# KiCad board modern-keyboard.kicad_pcb
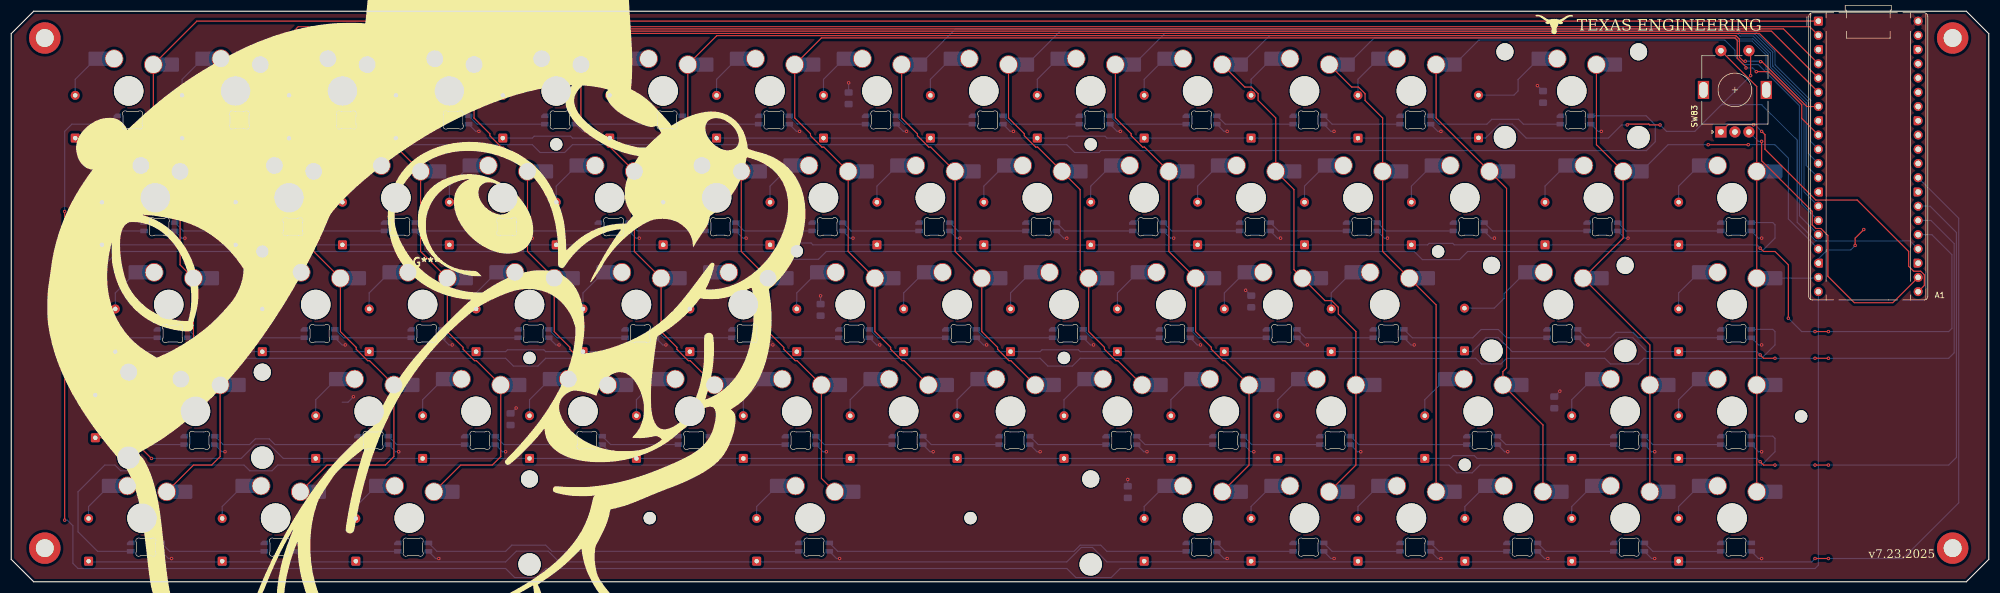
[diagram p0: board, top side]
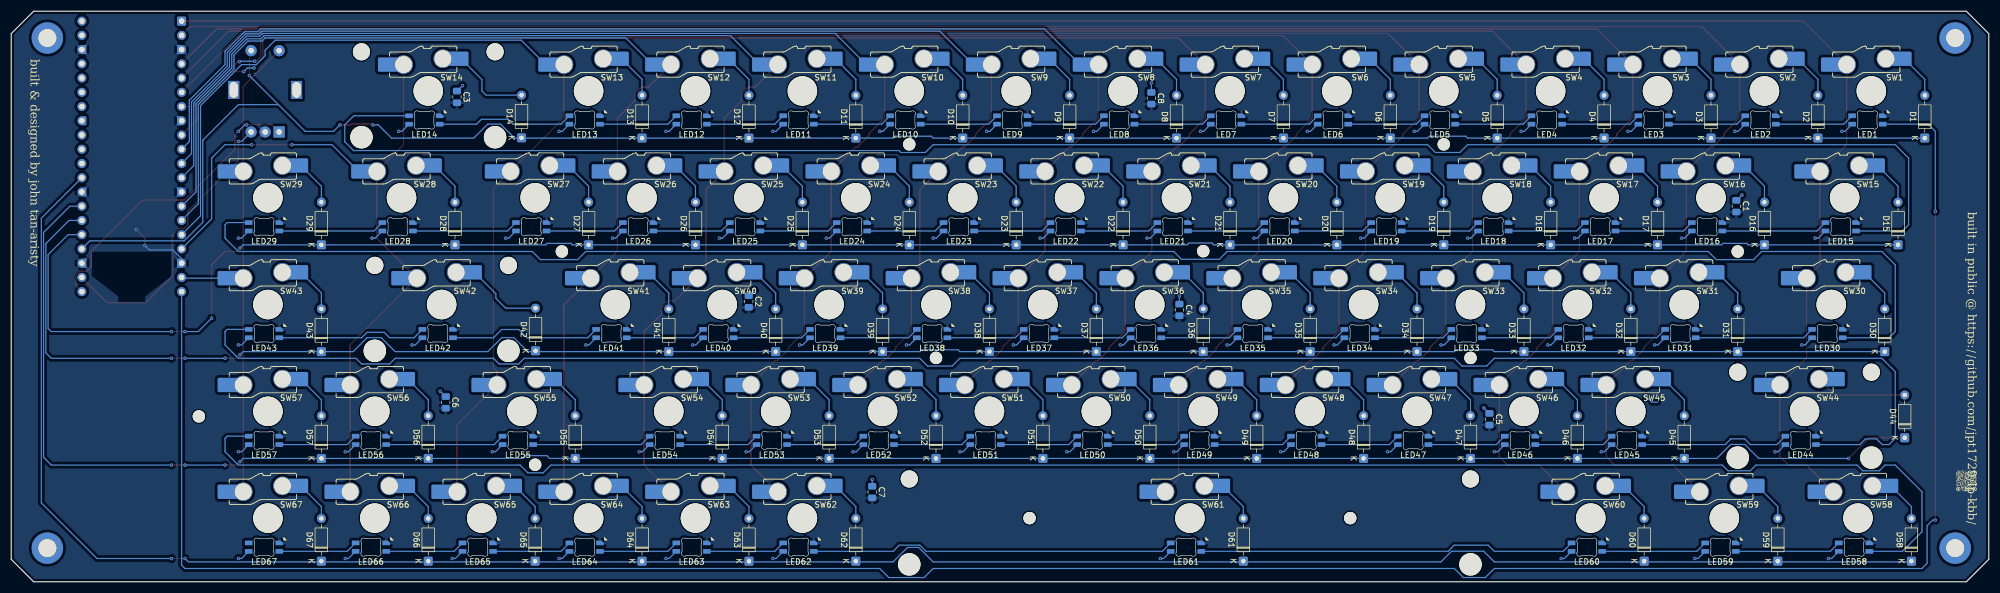
[diagram p1: board, bottom side, seen from below]

Outline 352.43 x 101.78 mm; copper layers: Top, Bottom. Coordinates in mm from the lower left corner of the outline.
Outline path: 0,97.78 0,4 4,0 348.43,0 352.43,4 352.43,97.78 348.43,101.78 4,101.78 0,97.78

## Placement (name value [footprint] x y rotation side)
A1  RaspberryPi_Pico  [RaspberryPi_Pico_Common_THT]  322.06 100.02 0 top
C1  2.2 uF  [C_0805_2012Metric_Pad1.18x1.45mm_HandSolder]  44.99 67 270 bottom
C2  2.2 uF  [C_0805_2012Metric_Pad1.18x1.45mm_HandSolder]  220.99 50 270 bottom
C3  2.2 uF  [C_0805_2012Metric_Pad1.18x1.45mm_HandSolder]  272.99 86.5 270 bottom
C4  2.2 uF  [C_0805_2012Metric_Pad1.18x1.45mm_HandSolder]  144.24 48.5 270 bottom
C5  2.2 uF  [C_0805_2012Metric_Pad1.18x1.45mm_HandSolder]  88.99 29 270 bottom
C6  2.2 uF  [C_0805_2012Metric_Pad1.18x1.45mm_HandSolder]  274.99 32 270 bottom
C7  2.2 uF  [C_0805_2012Metric_Pad1.18x1.45mm_HandSolder]  198.99 16 270 bottom
C8  2.2 uF  [C_0805_2012Metric_Pad1.18x1.45mm_HandSolder]  149.24 86.25 270 bottom
D1  D  [D_DO-35_SOD27_P7.62mm_Horizontal]  11.41 79.15 90 bottom
D2  D  [D_DO-35_SOD27_P7.62mm_Horizontal]  30.45 79.15 90 bottom
D3  D  [D_DO-35_SOD27_P7.62mm_Horizontal]  49.51 79.15 90 bottom
D4  D  [D_DO-35_SOD27_P7.62mm_Horizontal]  68.55 79.15 90 bottom
D5  D  [D_DO-35_SOD27_P7.62mm_Horizontal]  87.61 79.15 90 bottom
D6  D  [D_DO-35_SOD27_P7.62mm_Horizontal]  106.65 79.15 90 bottom
D7  D  [D_DO-35_SOD27_P7.62mm_Horizontal]  125.7 79.15 90 bottom
D8  D  [D_DO-35_SOD27_P7.62mm_Horizontal]  144.75 79.15 90 bottom
D9  D  [D_DO-35_SOD27_P7.62mm_Horizontal]  163.81 79.15 90 bottom
D10  D  [D_DO-35_SOD27_P7.62mm_Horizontal]  182.86 79.15 90 bottom
D11  D  [D_DO-35_SOD27_P7.62mm_Horizontal]  201.91 79.15 90 bottom
D12  D  [D_DO-35_SOD27_P7.62mm_Horizontal]  220.95 79.15 90 bottom
D13  D  [D_DO-35_SOD27_P7.62mm_Horizontal]  240 79.15 90 bottom
D14  D  [D_DO-35_SOD27_P7.62mm_Horizontal]  261.49 79.19 90 bottom
D15  D  [D_DO-35_SOD27_P7.62mm_Horizontal]  16.17 60.1 90 bottom
D16  D  [D_DO-35_SOD27_P7.62mm_Horizontal]  39.98 60.1 90 bottom
D17  D  [D_DO-35_SOD27_P7.62mm_Horizontal]  59.03 60.1 90 bottom
D18  D  [D_DO-35_SOD27_P7.62mm_Horizontal]  78.08 60.1 90 bottom
D19  D  [D_DO-35_SOD27_P7.62mm_Horizontal]  97.13 60.1 90 bottom
D20  D  [D_DO-35_SOD27_P7.62mm_Horizontal]  116.18 60.1 90 bottom
D21  D  [D_DO-35_SOD27_P7.62mm_Horizontal]  135.23 60.1 90 bottom
D22  D  [D_DO-35_SOD27_P7.62mm_Horizontal]  154.28 60.1 90 bottom
D23  D  [D_DO-35_SOD27_P7.62mm_Horizontal]  173.33 60.1 90 bottom
D24  D  [D_DO-35_SOD27_P7.62mm_Horizontal]  192.38 60.1 90 bottom
D25  D  [D_DO-35_SOD27_P7.62mm_Horizontal]  211.43 60.1 90 bottom
D26  D  [D_DO-35_SOD27_P7.62mm_Horizontal]  230.48 60.1 90 bottom
D27  D  [D_DO-35_SOD27_P7.62mm_Horizontal]  249.53 60.1 90 bottom
D28  D  [D_DO-35_SOD27_P7.62mm_Horizontal]  273.34 60.1 90 bottom
D29  D  [D_DO-35_SOD27_P7.62mm_Horizontal]  297.16 60.1 90 bottom
D30  D  [D_DO-35_SOD27_P7.62mm_Horizontal]  18.55 41.05 90 bottom
D31  D  [D_DO-35_SOD27_P7.62mm_Horizontal]  44.74 41.05 90 bottom
D32  D  [D_DO-35_SOD27_P7.62mm_Horizontal]  63.79 41.05 90 bottom
D33  D  [D_DO-35_SOD27_P7.62mm_Horizontal]  82.84 41.05 90 bottom
D34  D  [D_DO-35_SOD27_P7.62mm_Horizontal]  101.89 41.05 90 bottom
D35  D  [D_DO-35_SOD27_P7.62mm_Horizontal]  120.94 41.05 90 bottom
D36  D  [D_DO-35_SOD27_P7.62mm_Horizontal]  139.99 41.05 90 bottom
D37  D  [D_DO-35_SOD27_P7.62mm_Horizontal]  159.04 41.05 90 bottom
D38  D  [D_DO-35_SOD27_P7.62mm_Horizontal]  178.09 41.05 90 bottom
D39  D  [D_DO-35_SOD27_P7.62mm_Horizontal]  197.14 41.05 90 bottom
D40  D  [D_DO-35_SOD27_P7.62mm_Horizontal]  216.19 41.05 90 bottom
D41  D  [D_DO-35_SOD27_P7.62mm_Horizontal]  235.24 41.05 90 bottom
D42  D  [D_DO-35_SOD27_P7.62mm_Horizontal]  258.99 41.19 90 bottom
D43  D  [D_DO-35_SOD27_P7.62mm_Horizontal]  297.16 41.05 90 bottom
D44  D  [D_DO-35_SOD27_P7.62mm_Horizontal]  14.99 25.69 90 bottom
D45  D  [D_DO-35_SOD27_P7.62mm_Horizontal]  54.27 22 90 bottom
D46  D  [D_DO-35_SOD27_P7.62mm_Horizontal]  73.32 22 90 bottom
D47  D  [D_DO-35_SOD27_P7.62mm_Horizontal]  92.37 22 90 bottom
D48  D  [D_DO-35_SOD27_P7.62mm_Horizontal]  111.42 22 90 bottom
D49  D  [D_DO-35_SOD27_P7.62mm_Horizontal]  130.47 22 90 bottom
D50  D  [D_DO-35_SOD27_P7.62mm_Horizontal]  149.52 22 90 bottom
D51  D  [D_DO-35_SOD27_P7.62mm_Horizontal]  168.57 22 90 bottom
D52  D  [D_DO-35_SOD27_P7.62mm_Horizontal]  187.62 22 90 bottom
D53  D  [D_DO-35_SOD27_P7.62mm_Horizontal]  206.67 22 90 bottom
D54  D  [D_DO-35_SOD27_P7.62mm_Horizontal]  225.72 22 90 bottom
D55  D  [D_DO-35_SOD27_P7.62mm_Horizontal]  251.91 22 90 bottom
D56  D  [D_DO-35_SOD27_P7.62mm_Horizontal]  278.11 22 90 bottom
D57  D  [D_DO-35_SOD27_P7.62mm_Horizontal]  297.16 22 90 bottom
D58  D  [D_DO-35_SOD27_P7.62mm_Horizontal]  13.79 3.68 90 bottom
D59  D  [D_DO-35_SOD27_P7.62mm_Horizontal]  37.6 3.68 90 bottom
D60  D  [D_DO-35_SOD27_P7.62mm_Horizontal]  61.41 3.68 90 bottom
D61  D  [D_DO-35_SOD27_P7.62mm_Horizontal]  132.85 3.68 90 bottom
D62  D  [D_DO-35_SOD27_P7.62mm_Horizontal]  201.91 3.68 90 bottom
D63  D  [D_DO-35_SOD27_P7.62mm_Horizontal]  220.95 3.68 90 bottom
D64  D  [D_DO-35_SOD27_P7.62mm_Horizontal]  240 3.68 90 bottom
D65  D  [D_DO-35_SOD27_P7.62mm_Horizontal]  259.06 3.68 90 bottom
D66  D  [D_DO-35_SOD27_P7.62mm_Horizontal]  278.11 3.68 90 bottom
D67  D  [D_DO-35_SOD27_P7.62mm_Horizontal]  297.16 3.68 90 bottom
G***  -  [LOGO]  73.99 57 0 top
G***#2  -  [LOGO]  274.99 99.5 0 top
G***#3  -  [LOGO]  3.99 18 0 bottom
LED1  SK6812MINI-E  [LED_KS33_6028R-ROT]  21.62 82.38 0 bottom
LED2  SK6812MINI-E  [LED_KS33_6028R-ROT]  40.67 82.38 0 bottom
LED3  SK6812MINI-E  [LED_KS33_6028R-ROT]  59.73 82.38 0 bottom
LED4  SK6812MINI-E  [LED_KS33_6028R-ROT]  78.77 82.38 0 bottom
LED5  SK6812MINI-E  [LED_KS33_6028R-ROT]  97.83 82.38 0 bottom
LED6  SK6812MINI-E  [LED_KS33_6028R-ROT]  116.87 82.38 0 bottom
LED7  SK6812MINI-E  [LED_KS33_6028R-ROT]  135.93 82.38 0 bottom
LED8  SK6812MINI-E  [LED_KS33_6028R-ROT]  154.98 82.38 0 bottom
LED9  SK6812MINI-E  [LED_KS33_6028R-ROT]  174.03 82.38 0 bottom
LED10  SK6812MINI-E  [LED_KS33_6028R-ROT]  193.07 82.38 0 bottom
LED11  SK6812MINI-E  [LED_KS33_6028R-ROT]  212.12 82.38 0 bottom
LED12  SK6812MINI-E  [LED_KS33_6028R-ROT]  231.18 82.38 0 bottom
LED13  SK6812MINI-E  [LED_KS33_6028R-ROT]  250.23 82.38 0 bottom
LED14  SK6812MINI-E  [LED_KS33_6028R-ROT]  278.8 82.38 0 bottom
LED15  SK6812MINI-E  [LED_KS33_6028R-ROT]  26.39 63.33 0 bottom
LED16  SK6812MINI-E  [LED_KS33_6028R-ROT]  50.2 63.33 0 bottom
LED17  SK6812MINI-E  [LED_KS33_6028R-ROT]  69.25 63.33 0 bottom
LED18  SK6812MINI-E  [LED_KS33_6028R-ROT]  88.3 63.33 0 bottom
LED19  SK6812MINI-E  [LED_KS33_6028R-ROT]  107.35 63.33 0 bottom
LED20  SK6812MINI-E  [LED_KS33_6028R-ROT]  126.4 63.33 0 bottom
LED21  SK6812MINI-E  [LED_KS33_6028R-ROT]  145.45 63.33 0 bottom
LED22  SK6812MINI-E  [LED_KS33_6028R-ROT]  164.5 63.33 0 bottom
LED23  SK6812MINI-E  [LED_KS33_6028R-ROT]  183.55 63.33 0 bottom
LED24  SK6812MINI-E  [LED_KS33_6028R-ROT]  202.6 63.33 0 bottom
LED25  SK6812MINI-E  [LED_KS33_6028R-ROT]  221.65 63.33 0 bottom
LED26  SK6812MINI-E  [LED_KS33_6028R-ROT]  240.7 63.33 0 bottom
LED27  SK6812MINI-E  [LED_KS33_6028R-ROT]  259.75 63.33 0 bottom
LED28  SK6812MINI-E  [LED_KS33_6028R-ROT]  283.56 63.33 0 bottom
LED29  SK6812MINI-E  [LED_KS33_6028R-ROT]  307.38 63.33 0 bottom
LED30  SK6812MINI-E  [LED_KS33_6028R-ROT]  28.77 44.28 0 bottom
LED31  SK6812MINI-E  [LED_KS33_6028R-ROT]  54.96 44.28 0 bottom
LED32  SK6812MINI-E  [LED_KS33_6028R-ROT]  74.01 44.28 0 bottom
LED33  SK6812MINI-E  [LED_KS33_6028R-ROT]  93.06 44.28 0 bottom
LED34  SK6812MINI-E  [LED_KS33_6028R-ROT]  112.11 44.28 0 bottom
LED35  SK6812MINI-E  [LED_KS33_6028R-ROT]  131.16 44.28 0 bottom
LED36  SK6812MINI-E  [LED_KS33_6028R-ROT]  150.21 44.28 0 bottom
LED37  SK6812MINI-E  [LED_KS33_6028R-ROT]  169.26 44.28 0 bottom
LED38  SK6812MINI-E  [LED_KS33_6028R-ROT]  188.31 44.28 0 bottom
LED39  SK6812MINI-E  [LED_KS33_6028R-ROT]  207.36 44.28 0 bottom
LED40  SK6812MINI-E  [LED_KS33_6028R-ROT]  226.41 44.28 0 bottom
LED41  SK6812MINI-E  [LED_KS33_6028R-ROT]  245.46 44.28 0 bottom
LED42  SK6812MINI-E  [LED_KS33_6028R-ROT]  276.42 44.28 0 bottom
LED43  SK6812MINI-E  [LED_KS33_6028R-ROT]  307.38 44.28 0 bottom
LED44  SK6812MINI-E  [LED_KS33_6028R-ROT]  33.53 25.23 0 bottom
LED45  SK6812MINI-E  [LED_KS33_6028R-ROT]  64.49 25.23 0 bottom
LED46  SK6812MINI-E  [LED_KS33_6028R-ROT]  83.54 25.23 0 bottom
LED47  SK6812MINI-E  [LED_KS33_6028R-ROT]  102.59 25.23 0 bottom
LED48  SK6812MINI-E  [LED_KS33_6028R-ROT]  121.64 25.23 0 bottom
LED49  SK6812MINI-E  [LED_KS33_6028R-ROT]  140.69 25.23 0 bottom
LED50  SK6812MINI-E  [LED_KS33_6028R-ROT]  159.74 25.23 0 bottom
LED51  SK6812MINI-E  [LED_KS33_6028R-ROT]  178.79 25.23 0 bottom
LED52  SK6812MINI-E  [LED_KS33_6028R-ROT]  197.84 25.23 0 bottom
LED53  SK6812MINI-E  [LED_KS33_6028R-ROT]  216.89 25.23 0 bottom
LED54  SK6812MINI-E  [LED_KS33_6028R-ROT]  235.94 25.23 0 bottom
LED55  SK6812MINI-E  [LED_KS33_6028R-ROT]  262.13 25.23 0 bottom
LED56  SK6812MINI-E  [LED_KS33_6028R-ROT]  288.32 25.23 0 bottom
LED57  SK6812MINI-E  [LED_KS33_6028R-ROT]  307.38 25.23 0 bottom
LED58  SK6812MINI-E  [LED_KS33_6028R-ROT]  24.01 6.18 0 bottom
LED59  SK6812MINI-E  [LED_KS33_6028R-ROT]  47.82 6.18 0 bottom
LED60  SK6812MINI-E  [LED_KS33_6028R-ROT]  71.63 6.18 0 bottom
LED61  SK6812MINI-E  [LED_KS33_6028R-ROT]  143.07 6.18 0 bottom
LED62  SK6812MINI-E  [LED_KS33_6028R-ROT]  212.12 6.18 0 bottom
LED63  SK6812MINI-E  [LED_KS33_6028R-ROT]  231.18 6.18 0 bottom
LED64  SK6812MINI-E  [LED_KS33_6028R-ROT]  250.23 6.18 0 bottom
LED65  SK6812MINI-E  [LED_KS33_6028R-ROT]  269.28 6.18 0 bottom
LED66  SK6812MINI-E  [LED_KS33_6028R-ROT]  288.32 6.18 0 bottom
LED67  SK6812MINI-E  [LED_KS33_6028R-ROT]  307.38 6.18 0 bottom
REF**  -  [STAB_MX_6.25u]  142.37 11.36 0 top
REF**#2  -  [MountingHole_2.2mm_M2]  139.99 58.98 0 top
REF**#3  -  [MountingHole_3.2mm_M3_DIN965_Pad_TopBottom]  5.99 97 0 top
REF**#4  -  [MountingHole_2.2mm_M2]  92.37 39.93 0 top
REF**#5  -  [MountingHole_2.2mm_M2]  113.8 11.36 0 top
REF**#6  -  [MountingHole_2.2mm_M2]  187.62 39.93 0 top
REF**#7  -  [MountingHole_2.2mm_M2]  170.95 11.36 0 top
REF**#8  -  [MountingHole_2.2mm_M2]  254.29 58.92 0 top
REF**#9  -  [MountingHole_3.2mm_M3_DIN965_Pad_TopBottom]  345.99 97 0 top
REF**#10  -  [STAB_MX_2u]  278.11 87.56 0 top
REF**#11  -  [STAB_MX_2u]  275.72 49.46 0 top
REF**#12  -  [MountingHole_3.2mm_M3_DIN965_Pad_TopBottom]  345.99 6 0 top
REF**#13  -  [MountingHole_2.2mm_M2]  318.99 29.5 0 top
REF**#14  -  [MountingHole_2.2mm_M2]  192.38 78.03 0 top
REF**#15  -  [MountingHole_3.2mm_M3_DIN965_Pad_TopBottom]  5.99 6 0 top
REF**#16  -  [MountingHole_2.2mm_M2]  259.06 20.88 0 top
REF**#17  -  [MountingHole_2.2mm_M2]  97.13 78.03 0 top
REF**#18  -  [STAB_MX_2u]  32.84 30.41 0 top
REF**#19  -  [MountingHole_2.2mm_M2]  44.74 58.92 0 top
SW1  SW_Push_45deg  [SW_KS33_HS_KS-2P02B01-02_HS_1u]  20.93 87.56 0 bottom
SW2  SW_Push_45deg  [SW_KS33_HS_KS-2P02B01-02_HS_1u]  39.98 87.56 0 bottom
SW3  SW_Push_45deg  [SW_KS33_HS_KS-2P02B01-02_HS_1u]  59.03 87.56 0 bottom
SW4  SW_Push_45deg  [SW_KS33_HS_KS-2P02B01-02_HS_1u]  78.08 87.56 0 bottom
SW5  SW_Push_45deg  [SW_KS33_HS_KS-2P02B01-02_HS_1u]  97.13 87.56 0 bottom
SW6  SW_Push_45deg  [SW_KS33_HS_KS-2P02B01-02_HS_1u]  116.18 87.56 0 bottom
SW7  SW_Push_45deg  [SW_KS33_HS_KS-2P02B01-02_HS_1u]  135.23 87.56 0 bottom
SW8  SW_Push_45deg  [SW_KS33_HS_KS-2P02B01-02_HS_1u]  154.28 87.56 0 bottom
SW9  SW_Push_45deg  [SW_KS33_HS_KS-2P02B01-02_HS_1u]  173.33 87.56 0 bottom
SW10  SW_Push_45deg  [SW_KS33_HS_KS-2P02B01-02_HS_1u]  192.38 87.56 0 bottom
SW11  SW_Push_45deg  [SW_KS33_HS_KS-2P02B01-02_HS_1u]  211.43 87.56 0 bottom
SW12  SW_Push_45deg  [SW_KS33_HS_KS-2P02B01-02_HS_1u]  230.48 87.56 0 bottom
SW13  SW_Push_45deg  [SW_KS33_HS_KS-2P02B01-02_HS_1u]  249.53 87.56 0 bottom
SW14  SW_Push_45deg  [SW_KS33_HS_KS-2P02B01-02_HS_2u]  278.11 87.56 0 bottom
SW15  SW_Push_45deg  [SW_KS33_HS_KS-2P02B01-02_1.5u]  25.69 68.51 0 bottom
SW16  SW_Push_45deg  [SW_KS33_HS_KS-2P02B01-02_HS_1u]  49.51 68.51 0 bottom
SW17  SW_Push_45deg  [SW_KS33_HS_KS-2P02B01-02_HS_1u]  68.55 68.51 0 bottom
SW18  SW_Push_45deg  [SW_KS33_HS_KS-2P02B01-02_HS_1u]  87.61 68.51 0 bottom
SW19  SW_Push_45deg  [SW_KS33_HS_KS-2P02B01-02_HS_1u]  106.65 68.51 0 bottom
SW20  SW_Push_45deg  [SW_KS33_HS_KS-2P02B01-02_HS_1u]  125.7 68.51 0 bottom
SW21  SW_Push_45deg  [SW_KS33_HS_KS-2P02B01-02_HS_1u]  144.75 68.51 0 bottom
SW22  SW_Push_45deg  [SW_KS33_HS_KS-2P02B01-02_HS_1u]  163.81 68.51 0 bottom
SW23  SW_Push_45deg  [SW_KS33_HS_KS-2P02B01-02_HS_1u]  182.86 68.51 0 bottom
SW24  SW_Push_45deg  [SW_KS33_HS_KS-2P02B01-02_HS_1u]  201.91 68.51 0 bottom
SW25  SW_Push_45deg  [SW_KS33_HS_KS-2P02B01-02_HS_1u]  220.95 68.51 0 bottom
SW26  SW_Push_45deg  [SW_KS33_HS_KS-2P02B01-02_HS_1u]  240 68.51 0 bottom
SW27  SW_Push_45deg  [SW_KS33_HS_KS-2P02B01-02_HS_1u]  259.06 68.51 0 bottom
SW28  SW_Push_45deg  [SW_KS33_HS_KS-2P02B01-02_1.5u]  282.87 68.51 0 bottom
SW29  SW_Push_45deg  [SW_KS33_HS_KS-2P02B01-02_HS_1u]  306.68 68.51 0 bottom
SW30  SW_Push_45deg  [SW_KS33_HS_KS-2P02B01-02_1.75u]  28.07 49.46 0 bottom
SW31  SW_Push_45deg  [SW_KS33_HS_KS-2P02B01-02_HS_1u]  54.27 49.46 0 bottom
SW32  SW_Push_45deg  [SW_KS33_HS_KS-2P02B01-02_HS_1u]  73.32 49.46 0 bottom
SW33  SW_Push_45deg  [SW_KS33_HS_KS-2P02B01-02_HS_1u]  92.37 49.46 0 bottom
SW34  SW_Push_45deg  [SW_KS33_HS_KS-2P02B01-02_HS_1u]  111.42 49.46 0 bottom
SW35  SW_Push_45deg  [SW_KS33_HS_KS-2P02B01-02_HS_1u]  130.47 49.46 0 bottom
SW36  SW_Push_45deg  [SW_KS33_HS_KS-2P02B01-02_HS_1u]  149.52 49.46 0 bottom
SW37  SW_Push_45deg  [SW_KS33_HS_KS-2P02B01-02_HS_1u]  168.57 49.46 0 bottom
SW38  SW_Push_45deg  [SW_KS33_HS_KS-2P02B01-02_HS_1u]  187.62 49.46 0 bottom
SW39  SW_Push_45deg  [SW_KS33_HS_KS-2P02B01-02_HS_1u]  206.67 49.46 0 bottom
SW40  SW_Push_45deg  [SW_KS33_HS_KS-2P02B01-02_HS_1u]  225.72 49.46 0 bottom
SW41  SW_Push_45deg  [SW_KS33_HS_KS-2P02B01-02_HS_1u]  244.77 49.46 0 bottom
SW42  SW_Push_45deg  [SW_KS33_HS_KS-2P02B01-02_HS_2.25u]  275.72 49.46 0 bottom
SW43  SW_Push_45deg  [SW_KS33_HS_KS-2P02B01-02_HS_1u]  306.68 49.46 0 bottom
SW44  SW_Push_45deg  [SW_KS33_HS_KS-2P02B01-02_HS_2.25u]  32.84 30.41 0 bottom
SW45  SW_Push_45deg  [SW_KS33_HS_KS-2P02B01-02_HS_1u]  63.79 30.41 0 bottom
SW46  SW_Push_45deg  [SW_KS33_HS_KS-2P02B01-02_HS_1u]  82.84 30.41 0 bottom
SW47  SW_Push_45deg  [SW_KS33_HS_KS-2P02B01-02_HS_1u]  101.89 30.41 0 bottom
SW48  SW_Push_45deg  [SW_KS33_HS_KS-2P02B01-02_HS_1u]  120.94 30.41 0 bottom
SW49  SW_Push_45deg  [SW_KS33_HS_KS-2P02B01-02_HS_1u]  139.99 30.41 0 bottom
SW50  SW_Push_45deg  [SW_KS33_HS_KS-2P02B01-02_HS_1u]  159.04 30.41 0 bottom
SW51  SW_Push_45deg  [SW_KS33_HS_KS-2P02B01-02_HS_1u]  178.09 30.41 0 bottom
SW52  SW_Push_45deg  [SW_KS33_HS_KS-2P02B01-02_HS_1u]  197.14 30.41 0 bottom
SW53  SW_Push_45deg  [SW_KS33_HS_KS-2P02B01-02_HS_1u]  216.19 30.41 0 bottom
SW54  SW_Push_45deg  [SW_KS33_HS_KS-2P02B01-02_HS_1u]  235.24 30.41 0 bottom
SW55  SW_Push_45deg  [SW_KS33_HS_KS-2P02B01-02_1.75u]  261.44 30.41 0 bottom
SW56  SW_Push_45deg  [SW_KS33_HS_KS-2P02B01-02_HS_1u]  287.63 30.41 0 bottom
SW57  SW_Push_45deg  [SW_KS33_HS_KS-2P02B01-02_HS_1u]  306.68 30.41 0 bottom
SW58  SW_Push_45deg  [SW_KS33_HS_KS-2P02B01-02_1.25u]  23.31 11.36 0 bottom
SW59  SW_Push_45deg  [SW_KS33_HS_KS-2P02B01-02_1.25u]  47.12 11.36 0 bottom
SW60  SW_Push_45deg  [SW_KS33_HS_KS-2P02B01-02_1.25u]  70.94 11.36 0 bottom
SW61  SW_Push_45deg  [SW_KS33_HS_KS-2P02B01-02_HS_6.25u]  142.37 11.36 0 bottom
SW62  SW_Push_45deg  [SW_KS33_HS_KS-2P02B01-02_HS_1u]  211.43 11.36 0 bottom
SW63  SW_Push_45deg  [SW_KS33_HS_KS-2P02B01-02_HS_1u]  230.48 11.36 0 bottom
SW64  SW_Push_45deg  [SW_KS33_HS_KS-2P02B01-02_HS_1u]  249.53 11.36 0 bottom
SW65  SW_Push_45deg  [SW_KS33_HS_KS-2P02B01-02_HS_1u]  268.58 11.36 0 bottom
SW66  SW_Push_45deg  [SW_KS33_HS_KS-2P02B01-02_HS_1u]  287.63 11.36 0 bottom
SW67  SW_Push_45deg  [SW_KS33_HS_KS-2P02B01-02_HS_1u]  306.68 11.36 0 bottom
SW83  RotaryEncoder_Switch  [RotaryEncoder_Alps_EC11E-Switch_Vertical_H20mm]  304.68 80.25 90 top

## Library data of the parts
A1 = -: Datasheet: https://datasheets.raspberrypi.com/pico/pico-datasheet.pdf; Description: Versatile and inexpensive microcontroller module (with full pinout for test point and debug connections) powered by RP2040 dual-core Arm Cortex-M0+ processor up to 133 MHz, 264kB SRAM, 2MB QSPI flash; also supports Raspberry Pi Pico 2; ki_fp_filters: RaspberryPi?Pico?SMD
C1-C8 = -: Description: Unpolarized capacitor; ki_fp_filters: C_*
D1-D67 = -: Description: Diode; Sim.Pins: 1=K 2=A; ki_fp_filters: TO-???* *_Diode_* *SingleDiode* D_*
LED1-LED67 = -: Description: Reverse mount adressable LED (WS2812 protocol)
SW1-SW67 = -: Description: Push button switch, normally open, two pins, 45° tilted
SW83 = -: Description: Rotary encoder, dual channel, incremental quadrate outputs, with switch; ki_fp_filters: RotaryEncoder*Switch*

## Footprints (pads in the part's own frame, mm; a bottom-side part is the same pattern mirrored in y, then rotated)
C_0805_2012Metric_Pad1.18x1.45mm_HandSolder
  rrect 1.175x1.45 smd: 1(-1.038,0) 2(1.038,0)
D_DO-35_SOD27_P7.62mm_Horizontal
  rrect 1.6x1.6 hole 0.8: 1(0,0)
  round 1.6 hole 0.8: 2(7.62,0)
LED_KS33_6028R-ROT
  rrect 1.35x0.82 smd: 1(2.725,0.75) 2(2.725,-0.75) 3(-2.725,0.75) 4(-2.725,-0.75)
MountingHole_2.2mm_M2
  round 2.2 hole 2.2 unplated: (0,0)
MountingHole_3.2mm_M3_DIN965_Pad_TopBottom
  round 3.6 hole 3.2: 1(0,0)
  round 5.6 smd: 1(0,0)
  round 5.6 smd far side: 1(0,0)
RaspberryPi_Pico_Common_THT
  rrect 1.6x1.6 hole 1: 1(0,0)
  round 1.6 hole 1: 2(0,-2.54) 4(0,-7.62) 5(0,-10.16) 6(0,-12.7) 7(0,-15.24) 9(0,-20.32) 10(0,-22.86) 11(0,-25.4) 12(0,-27.94) 14(0,-33.02) 15(0,-35.56) 16(0,-38.1) 17(0,-40.64) 19(0,-45.72) 20(0,-48.26) 21(17.78,-48.26) 22(17.78,-45.72) 24(17.78,-40.64) 25(17.78,-38.1) 26(17.78,-35.56) 27(17.78,-33.02) 29(17.78,-27.94) 30(17.78,-25.4) 31(17.78,-22.86) 32(17.78,-20.32) 34(17.78,-15.24) 35(17.78,-12.7) 36(17.78,-10.16) 37(17.78,-7.62) 39(17.78,-2.54) 40(17.78,0)
  custom 1.6x1.6 hole 1: 3(0,-5.08) 8(0,-17.78) 13(0,-30.48) 18(0,-43.18) 23(17.78,-43.18) 28(17.78,-30.48) 33(17.78,-17.78) 38(17.78,-5.08)
RotaryEncoder_Alps_EC11E-Switch_Vertical_H20mm
  rect 2x2 hole 1: A(0,0)
  round 2 hole 1: B(0,-5) C(0,-2.5) S1(14.5,-5) S2(14.5,0)
  rect 3.2x2 hole 2.8x1.5: MP(7.5,3.1) MP(7.5,-8.1)
STAB_MX_2u
  round 3.048 hole 3.048 unplated: (-11.906,6.985) (11.906,6.985)
  round 3.988 hole 3.988 unplated: (-11.906,-8.255) (11.906,-8.255)
STAB_MX_6.25u
  round 3.048 hole 3.048 unplated: (-50.006,6.985) (50.006,6.985)
  round 3.988 hole 3.988 unplated: (-50.006,-8.255) (50.006,-8.255)
SW_KS33_HS_KS-2P02B01-02_1.5u
  round 5.25 hole 5.25 unplated: (0,0)
  round 3.3 hole 3: 1(4.4,-4.7) 2(-2.6,-5.75)
  rect 1.2x2.55 smd: 1(5.95,-4.7) 2(-4.15,-5.75)
  rrect 2.65x2.55 smd: 1(7.645,-4.7) 2(-5.845,-5.75)
SW_KS33_HS_KS-2P02B01-02_1.25u
  round 5.25 hole 5.25 unplated: (0,0)
  round 3.3 hole 3: 1(4.4,-4.7) 2(-2.6,-5.75)
  rect 1.2x2.55 smd: 1(5.95,-4.7) 2(-4.15,-5.75)
  rrect 2.65x2.55 smd: 1(7.645,-4.7) 2(-5.845,-5.75)
SW_KS33_HS_KS-2P02B01-02_1.75u
  round 5.25 hole 5.25 unplated: (0,0)
  round 3.3 hole 3: 1(4.4,-4.7) 2(-2.6,-5.75)
  rect 1.2x2.55 smd: 1(5.95,-4.7) 2(-4.15,-5.75)
  rrect 2.65x2.55 smd: 1(7.645,-4.7) 2(-5.845,-5.75)
SW_KS33_HS_KS-2P02B01-02_HS_1u
  round 5.25 hole 5.25 unplated: (0,0)
  round 3.3 hole 3: 1(4.4,-4.7) 2(-2.6,-5.75)
  rect 1.2x2.55 smd: 1(5.95,-4.7) 2(-4.15,-5.75)
  rrect 2.65x2.55 smd: 1(7.645,-4.7) 2(-5.845,-5.75)
SW_KS33_HS_KS-2P02B01-02_HS_2.25u
  round 5.25 hole 5.25 unplated: (0,0)
  round 3.3 hole 3: 1(4.4,-4.7) 2(-2.6,-5.75)
  rect 1.2x2.55 smd: 1(5.95,-4.7) 2(-4.15,-5.75)
  rrect 2.65x2.55 smd: 1(7.645,-4.7) 2(-5.845,-5.75)
SW_KS33_HS_KS-2P02B01-02_HS_2u
  round 5.25 hole 5.25 unplated: (0,0)
  round 3.3 hole 3: 1(4.4,-4.7) 2(-2.6,-5.75)
  rect 1.2x2.55 smd: 1(5.95,-4.7) 2(-4.15,-5.75)
  rrect 2.65x2.55 smd: 1(7.645,-4.7) 2(-5.845,-5.75)
SW_KS33_HS_KS-2P02B01-02_HS_6.25u
  round 5.25 hole 5.25 unplated: (0,0)
  round 3.3 hole 3: 1(4.4,-4.7) 2(-2.6,-5.75)
  rect 1.2x2.55 smd: 1(5.95,-4.7) 2(-4.15,-5.75)
  rrect 2.65x2.55 smd: 1(7.645,-4.7) 2(-5.845,-5.75)
